# KiCad board MozzaCircuit.kicad_pcb (continued)
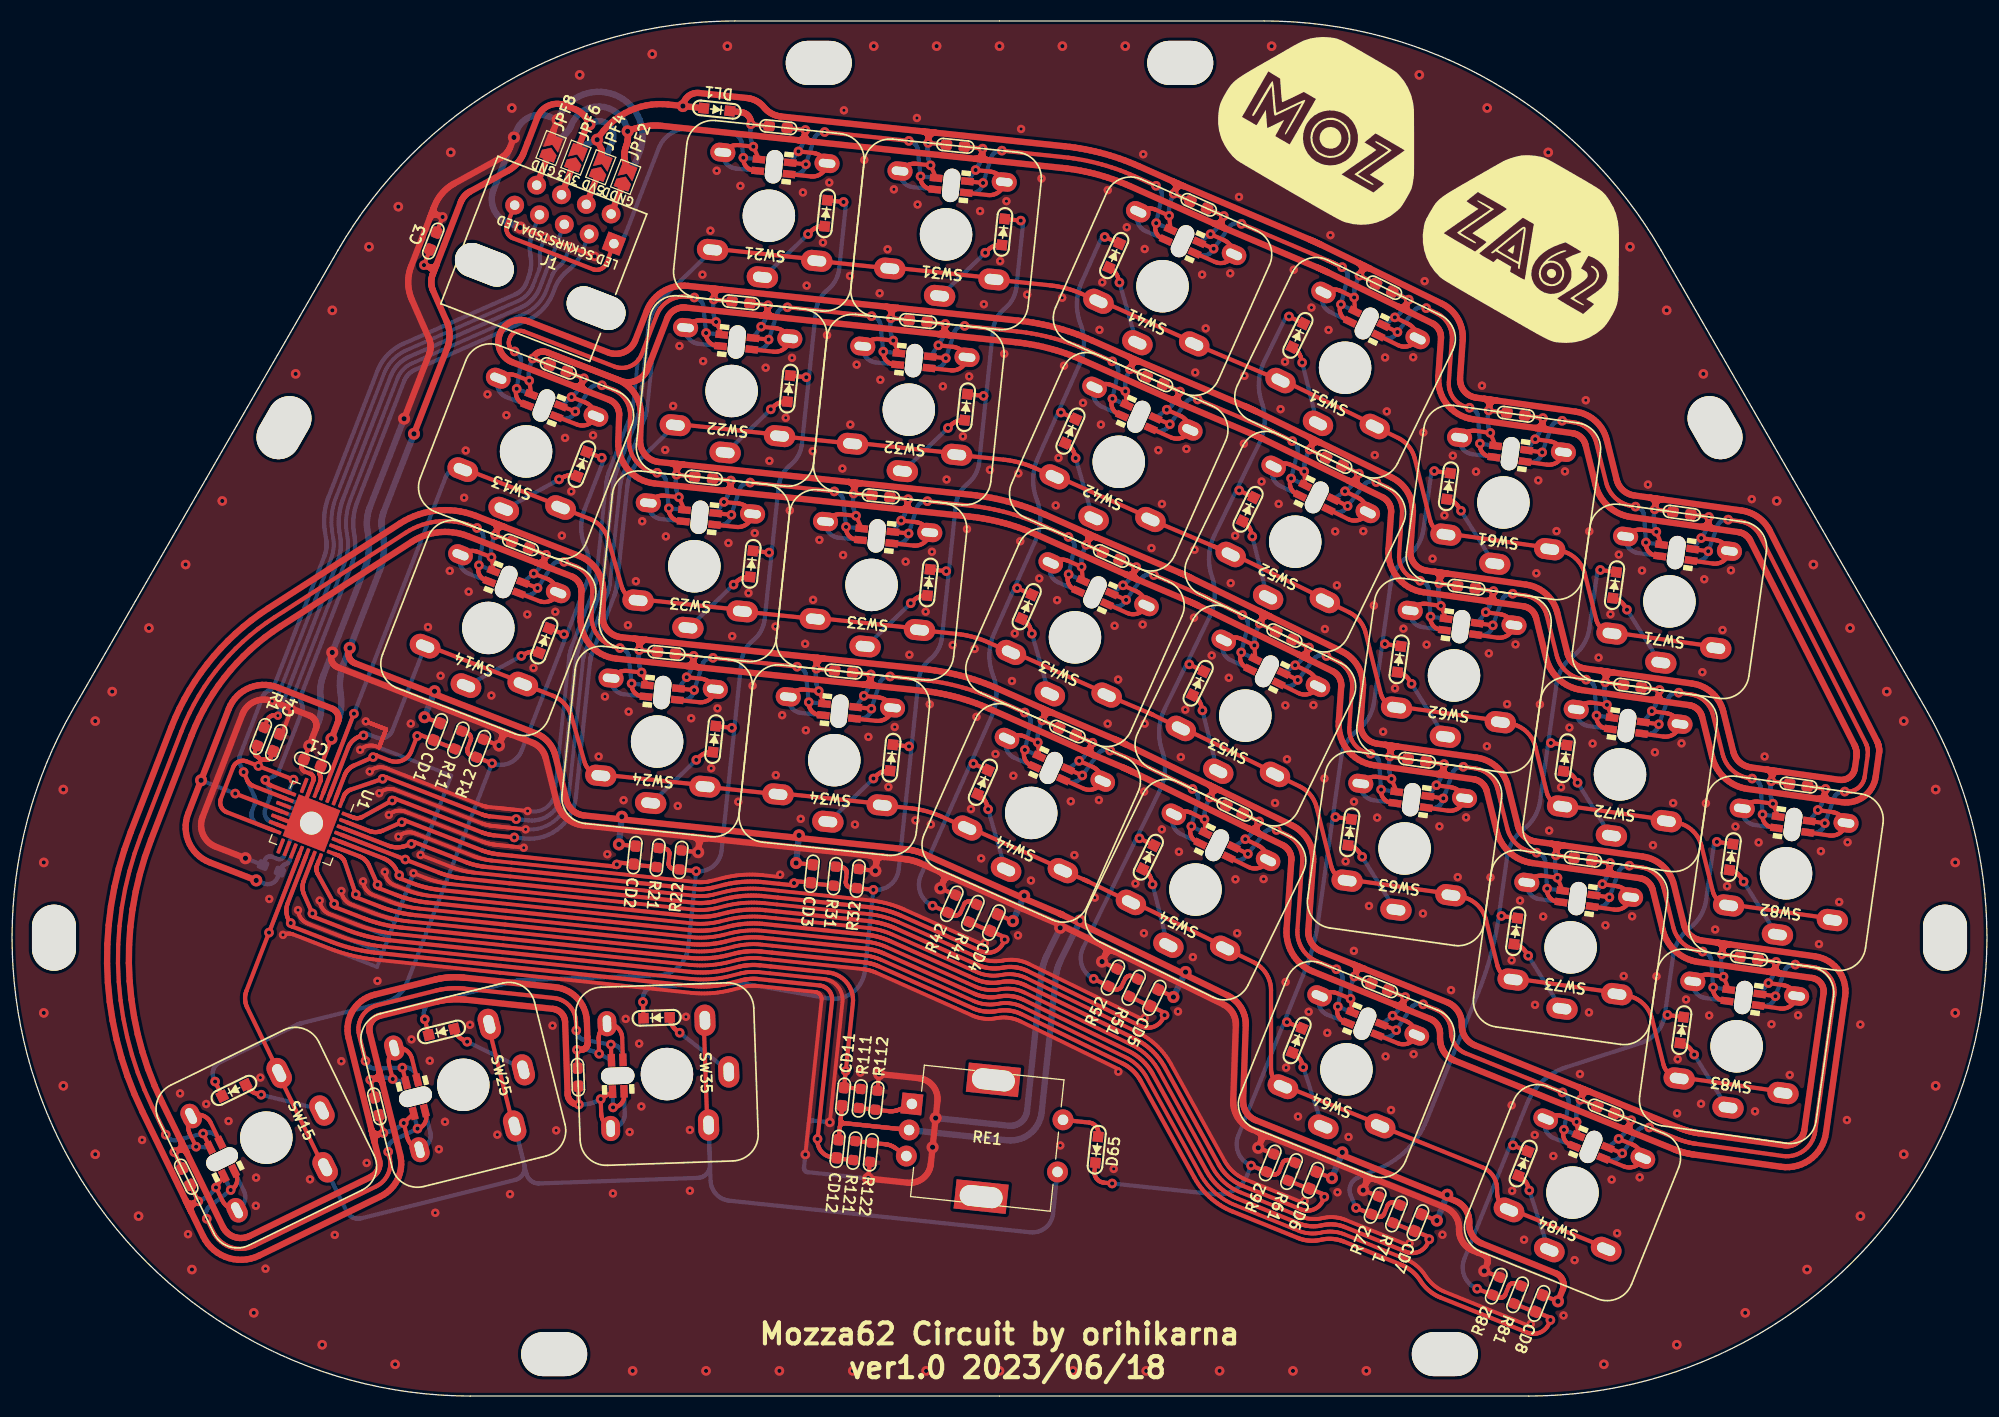
[diagram p0: board, top side]
## Routing (per net, layer and track width the routed paths; a pad name or vN(x,y) marks a point on that pad's centre or on a via; arc(x,y) is an arc through that point) (continued)
Net-(L41-Pad1): length 25.4
  Top w0.4: v2(126.91,107.69) 126.56,107.86 126.49,107.9 126.42,107.93 126.35,107.96 126.28,108 126.21,108.03 126.14,108.06 126.07,108.09 126,108.13 125.93,108.16 125.85,108.19 125.78,108.22 125.64,108.28 125.57,108.32 125.5,108.35 v2(117.31,111.82) ; L51.3 127.3,102.66 127.2,102.72 127.11,102.78 127.02,102.86 126.94,102.94 126.87,103.03 126.81,103.13 126.76,103.24 126.73,103.35 126.7,103.46 126.69,103.57 126.68,103.69 126.69,103.8 126.72,103.91 126.75,104.02 v2(126.8,104.13) ; 113.28,110.06 v2(114.65,109.45)
  Bottom w0.4: 128.14,103.47 v2(126.8,104.13) 127.41,106.61 127.43,106.69 127.44,106.78 127.44,106.86 127.43,106.95 127.42,107.03 127.4,107.12 127.37,107.2 127.33,107.28 127.29,107.35 127.24,107.42 127.18,107.49 127.12,107.55 127.05,107.6 126.98,107.65 v2(126.91,107.69) ; L41.5 113.2,108.89 113.3,108.85 113.41,108.82 113.53,108.8 113.64,108.8 113.76,108.8 113.87,108.82 113.98,108.85 114.09,108.89 114.19,108.94 114.29,109.01 114.38,109.08 114.46,109.16 114.53,109.25 114.6,109.35 v2(114.65,109.45) 116.15,111.51 116.2,111.58 116.26,111.64 116.33,111.7 116.4,111.75 116.47,111.79 116.55,111.83 116.63,111.86 116.71,111.88 116.8,111.9 116.88,111.91 116.97,111.9 117.06,111.9 117.14,111.88 117.22,111.86 v2(117.31,111.82)
Net-(L42-Pad3): length 24.8
  Top w0.4: 122.9,85.89 122.54,86.07 122.44,86.12 122.35,86.19 122.26,86.26 122.18,86.35 122.11,86.44 122.05,86.54 122.01,86.64 121.97,86.75 121.94,86.86 121.93,86.98 121.93,87.09 121.94,87.21 121.96,87.32 121.99,87.43 v2(122.04,87.54) ; v2(113.13,95.07) 119.29,92.46 119.36,92.43 119.43,92.4 119.51,92.37 119.58,92.33 119.65,92.3 119.86,92.21 119.93,92.17 120.07,92.11 120.21,92.04 120.35,91.97 v2(122.15,91.1) ; L42.3 v2(110.47,92.7)
  Bottom w0.4: v2(113.13,95.07) 113.05,95.11 112.96,95.13 112.88,95.15 112.79,95.16 112.71,95.16 112.62,95.15 112.54,95.13 112.45,95.11 112.37,95.08 112.29,95.05 112.22,95 112.15,94.95 112.08,94.89 112.02,94.83 111.97,94.76 v2(110.47,92.7) 110.42,92.6 110.36,92.5 110.28,92.41 110.2,92.33 110.11,92.26 110.02,92.2 109.91,92.14 109.81,92.1 109.69,92.07 109.58,92.05 109.47,92.05 109.35,92.05 109.24,92.07 109.13,92.1 109.02,92.14 108.65,92.31 ; v2(122.15,91.1) 122.22,91.06 122.3,91.01 122.36,90.96 122.42,90.9 122.48,90.83 122.53,90.76 122.57,90.68 122.61,90.61 122.64,90.52 122.66,90.44 122.68,90.36 122.68,90.27 122.68,90.18 122.67,90.1 122.65,90.01 v2(122.04,87.54) 123.39,86.88
Net-(L43-Pad1): length 24.2
  Top w0.4: v2(108.95,78.32) 113.11,76.56 113.18,76.53 113.25,76.5 113.4,76.44 113.47,76.4 113.54,76.37 113.61,76.34 113.68,76.31 113.75,76.28 113.82,76.24 113.89,76.21 113.96,76.18 114.03,76.14 114.17,76.08 v2(117.39,74.51) ; v2(117.28,70.94) 117.23,70.84 117.2,70.73 117.18,70.61 117.17,70.5 117.17,70.38 117.18,70.27 117.21,70.16 117.25,70.05 117.3,69.95 117.36,69.85 117.43,69.75 117.5,69.67 117.59,69.59 117.69,69.53 117.79,69.47 118.15,69.3 ; L43.1 v2(106.29,75.95)
  Bottom w0.4: 118.63,70.29 v2(117.28,70.94) 117.9,73.42 117.91,73.5 117.92,73.59 117.92,73.68 117.92,73.76 117.9,73.85 117.88,73.93 117.85,74.01 117.82,74.09 117.77,74.17 117.72,74.24 117.67,74.3 117.6,74.36 117.54,74.42 117.47,74.47 v2(117.39,74.51) ; L43.5 104.84,75.39 104.95,75.35 105.06,75.32 105.17,75.3 105.29,75.3 105.4,75.3 105.52,75.32 105.63,75.35 105.74,75.39 105.84,75.45 105.94,75.51 106.03,75.58 106.11,75.66 106.18,75.75 106.24,75.85 v2(106.29,75.95) 107.79,78.01 107.85,78.08 107.91,78.14 107.97,78.2 108.04,78.25 108.12,78.3 108.2,78.33 108.28,78.36 108.36,78.38 108.45,78.4 108.53,78.41 108.62,78.41 108.7,78.4 108.79,78.38 108.87,78.36 v2(108.95,78.32)
Net-(L44-Pad3): length 23.6
  Top w0.4: v2(104.78,61.58) 106.9,60.68 106.97,60.64 107.04,60.61 107.11,60.58 107.18,60.55 107.25,60.52 107.47,60.42 107.61,60.36 107.75,60.29 107.82,60.26 107.96,60.19 v2(112.63,57.91) ; L44.3 v2(102.12,59.2) ; 113.39,52.7 113.03,52.88 112.93,52.93 112.83,53 112.75,53.08 112.67,53.16 112.6,53.25 112.54,53.35 112.49,53.46 112.45,53.56 112.43,53.68 112.41,53.79 112.41,53.91 112.42,54.02 112.44,54.13 112.48,54.24 v2(112.52,54.35)
  Bottom w0.4: v2(112.63,57.91) 112.71,57.87 112.78,57.82 112.85,57.77 112.91,57.71 112.96,57.64 113.01,57.57 113.06,57.5 113.1,57.42 113.12,57.34 113.15,57.25 113.16,57.17 113.17,57.08 113.17,57 113.16,56.91 113.14,56.82 v2(112.52,54.35) L54.5 ; v2(104.78,61.58) 104.7,61.61 104.61,61.63 104.53,61.65 104.44,61.66 104.36,61.66 104.27,61.65 104.18,61.64 104.1,61.61 104.02,61.58 103.94,61.55 103.87,61.5 103.8,61.45 103.73,61.4 103.67,61.33 103.62,61.27 v2(102.12,59.2) 102.07,59.1 102,59 101.93,58.91 101.85,58.83 101.76,58.76 101.66,58.7 101.56,58.64 101.45,58.6 101.34,58.57 101.23,58.56 101.11,58.55 101,58.56 100.89,58.57 100.77,58.6 100.67,58.64 L44.7
Net-(L51-Pad1): length 26.7
  Top w0.4: v2(134.93,103.78) 135.95,103.28 136.13,103.19 136.3,103.08 136.46,102.96 136.61,102.82 136.75,102.67 136.87,102.52 136.99,102.35 137.09,102.18 137.18,102 137.25,101.81 137.31,101.61 137.35,101.42 137.37,101.22 137.38,101.01 137.38,100.81 137.09,96.72 137.09,96.49 137.1,96.26 137.14,96.03 137.21,95.81 137.29,95.6 137.4,95.39 137.53,95.2 137.67,95.02 137.83,94.86 138.01,94.71 138.2,94.59 138.4,94.48 138.61,94.39 138.83,94.33 v2(139.06,94.28) ; v2(140.06,90.86) 140.05,90.75 140.05,90.63 140.06,90.52 140.09,90.4 140.13,90.3 140.17,90.19 140.23,90.09 140.3,90 140.38,89.92 140.47,89.84 140.56,89.77 140.66,89.72 140.77,89.67 140.88,89.64 140.99,89.62 L61.3 ; L51.1 v2(132.19,101.5)
  Bottom w0.4: v2(139.06,94.28) 139.15,94.27 139.23,94.24 139.31,94.21 139.39,94.17 139.46,94.13 139.53,94.08 139.59,94.02 139.65,93.96 139.71,93.89 139.75,93.82 139.79,93.74 139.83,93.66 139.85,93.58 139.87,93.49 139.88,93.41 v2(140.06,90.86) 141.54,90.65 ; v2(134.93,103.78) 134.85,103.82 134.77,103.84 134.68,103.86 134.6,103.87 134.51,103.88 134.42,103.87 134.34,103.86 134.25,103.84 134.17,103.82 134.09,103.78 134.02,103.74 133.94,103.69 133.88,103.64 133.82,103.58 133.76,103.51 v2(132.19,101.5) 132.13,101.4 132.07,101.31 131.99,101.22 131.91,101.14 131.81,101.07 131.72,101.01 131.61,100.96 131.5,100.93 131.39,100.9 131.28,100.89 131.16,100.88 131.05,100.89 130.93,100.92 130.82,100.95 130.72,100.99 130.36,101.17
Net-(L52-Pad3): length 26.6
  Top w0.4: 136.67,73.06 136.28,73.11 136.16,73.14 136.05,73.17 135.95,73.21 135.85,73.27 135.75,73.34 135.67,73.41 135.59,73.5 135.52,73.59 135.46,73.69 135.41,73.79 135.37,73.9 135.35,74.01 135.33,74.13 135.33,74.24 v2(135.34,74.36) ; v2(134.35,77.78) 134.12,77.82 133.89,77.89 133.68,77.98 133.47,78.09 133.28,78.22 133.1,78.37 132.93,78.53 132.78,78.71 132.66,78.91 132.55,79.12 132.46,79.33 132.4,79.56 132.36,79.79 132.34,80.02 132.34,80.25 132.62,84.22 132.62,84.42 132.61,84.62 132.59,84.82 132.55,85.02 132.49,85.21 132.42,85.4 132.33,85.58 132.23,85.76 132.12,85.92 131.99,86.08 131.85,86.23 131.7,86.36 131.54,86.48 131.37,86.59 131.19,86.69 v2(130.17,87.19) ; 126.08,85.56 v2(127.43,84.91)
  Bottom w0.4: L52.7 125.96,84.4 126.07,84.36 126.18,84.32 126.29,84.3 126.4,84.29 126.52,84.29 126.63,84.31 126.74,84.33 126.85,84.37 126.96,84.42 127.06,84.48 127.15,84.55 127.23,84.62 127.31,84.71 127.37,84.81 v2(127.43,84.91) 129,86.92 129.06,86.98 129.12,87.04 129.19,87.1 129.26,87.15 129.33,87.19 129.41,87.22 129.5,87.25 129.58,87.27 129.67,87.28 129.75,87.28 129.84,87.28 129.92,87.27 130.01,87.25 130.09,87.22 v2(130.17,87.19) ; v2(134.35,77.78) 134.43,77.76 134.51,77.74 134.59,77.71 134.67,77.67 134.75,77.62 134.82,77.57 134.88,77.52 134.94,77.45 134.99,77.38 135.04,77.31 135.08,77.23 135.11,77.15 135.14,77.07 135.15,76.99 135.16,76.9 v2(135.34,74.36) L62.5
Net-(L53-Pad1): length 26.5
  Top w0.4: v2(130.63,57.85) 130.62,57.74 130.62,57.62 130.63,57.51 130.66,57.4 130.7,57.29 130.74,57.18 130.8,57.08 130.87,56.99 130.95,56.91 131.04,56.83 131.13,56.77 131.23,56.71 131.34,56.66 131.45,56.63 131.56,56.61 131.96,56.55 ; 121.32,68.97 v2(122.67,68.31) ; v2(125.41,70.59) 126.43,70.1 126.61,70 126.78,69.89 126.94,69.77 127.09,69.63 127.23,69.49 127.36,69.33 127.47,69.17 127.57,68.99 127.66,68.81 127.73,68.62 127.79,68.43 127.83,68.23 127.86,68.03 127.87,67.83 127.86,67.63 127.59,63.79 127.59,63.55 127.61,63.32 127.65,63.08 127.71,62.85 127.8,62.63 127.91,62.42 128.04,62.22 128.19,62.04 128.36,61.87 128.54,61.72 128.74,61.59 128.95,61.48 129.17,61.39 129.4,61.32 v2(129.63,61.27)
  Bottom w0.4: v2(129.63,61.27) 129.72,61.26 129.8,61.23 129.88,61.2 129.96,61.16 130.03,61.12 130.1,61.07 130.16,61.01 130.22,60.95 130.28,60.88 130.32,60.81 130.36,60.73 130.4,60.65 130.42,60.57 130.44,60.48 130.45,60.4 v2(130.63,57.85) L63.7 ; 120.84,67.98 121.2,67.81 121.31,67.76 121.42,67.73 121.53,67.71 121.64,67.7 121.76,67.7 121.87,67.71 121.99,67.74 122.1,67.78 122.2,67.82 122.3,67.88 122.39,67.95 122.47,68.03 122.55,68.12 122.62,68.21 v2(122.67,68.31) 124.24,70.32 124.3,70.39 124.36,70.45 124.43,70.51 124.5,70.55 124.58,70.59 124.66,70.63 124.74,70.66 124.82,70.68 124.91,70.69 124.99,70.69 125.08,70.69 125.17,70.68 125.25,70.66 125.33,70.63 v2(125.41,70.59)
Net-(L54-Pad3): length 31.5
  Top w0.4: L64.1 127.11,35.72 127.01,35.77 126.91,35.83 126.82,35.9 126.73,35.98 126.66,36.06 126.59,36.16 126.53,36.26 126.49,36.36 126.46,36.47 126.43,36.59 126.42,36.7 126.43,36.82 126.44,36.93 126.47,37.04 v2(126.5,37.15) ; v2(126.36,40.71) 124.54,41.45 124.31,41.55 124.09,41.68 123.88,41.82 123.68,41.98 123.49,42.16 123.32,42.35 123.17,42.55 123.04,42.77 122.92,43 122.82,43.23 122.74,43.48 122.69,43.73 122.65,43.98 122.64,44.23 122.64,44.49 123.1,51.03 123.11,51.23 123.1,51.43 123.07,51.63 123.03,51.83 122.97,52.03 122.9,52.21 122.82,52.4 122.71,52.57 122.6,52.74 122.47,52.89 122.33,53.04 122.18,53.17 122.02,53.3 121.85,53.41 121.68,53.5 v2(120.65,54) ; 116.57,52.38 v2(117.91,51.72)
  Bottom w0.4: L64.5 v2(126.5,37.15) 126.95,39.66 126.96,39.75 126.96,39.84 126.96,39.92 126.94,40.01 126.92,40.09 126.9,40.17 126.86,40.25 126.82,40.33 126.77,40.4 126.72,40.47 126.66,40.53 126.59,40.58 126.52,40.63 126.44,40.68 v2(126.36,40.71) ; L54.7 116.44,51.21 116.55,51.17 116.66,51.13 116.77,51.11 116.89,51.1 117,51.1 117.12,51.12 117.23,51.14 117.34,51.18 117.44,51.23 117.54,51.29 117.63,51.36 117.72,51.44 117.79,51.52 117.86,51.62 v2(117.91,51.72) 119.48,53.73 119.54,53.8 119.6,53.86 119.67,53.91 119.74,53.96 119.82,54 119.9,54.03 119.98,54.06 120.06,54.08 120.15,54.09 120.24,54.1 120.32,54.09 120.41,54.08 120.49,54.06 120.57,54.03 v2(120.65,54)
Net-(L61-Pad1): length 26.9
  Top w0.4: L71.3 156.83,80.18 156.72,80.2 156.61,80.24 156.5,80.28 156.4,80.34 156.31,80.4 156.22,80.48 156.14,80.56 156.07,80.66 156.01,80.76 155.97,80.86 155.93,80.97 155.9,81.08 155.89,81.19 155.89,81.31 v2(155.9,81.42) ; L61.1 v2(146,90.03) ; v2(154.9,84.85) 154.63,84.88 154.39,84.93 154.16,84.99 153.93,85.07 153.71,85.17 153.5,85.28 153.29,85.41 153.1,85.56 152.92,85.72 152.76,85.9 152.61,86.08 152.47,86.28 152.35,86.49 152.25,86.71 152.16,86.94 152.09,87.17 151.14,90.97 151.09,91.17 151.02,91.36 150.93,91.54 150.83,91.71 150.72,91.88 150.59,92.04 150.45,92.18 150.3,92.32 150.14,92.44 149.97,92.55 149.79,92.65 149.61,92.73 149.42,92.79 149.22,92.85 149.02,92.88 v2(147.9,93.04)
  Bottom w0.4: 157.38,81.22 v2(155.9,81.42) 155.72,83.97 155.71,84.06 155.69,84.14 155.67,84.22 155.63,84.3 155.59,84.38 155.55,84.45 155.49,84.52 155.43,84.58 155.37,84.64 155.3,84.69 155.23,84.74 155.15,84.78 155.07,84.81 154.99,84.83 v2(154.9,84.85) ; 144.36,89.15 144.76,89.09 144.87,89.08 144.99,89.08 145.1,89.1 145.21,89.12 145.32,89.16 145.42,89.21 145.52,89.27 145.62,89.34 145.7,89.41 145.78,89.5 145.84,89.6 145.9,89.7 145.94,89.8 145.98,89.91 v2(146,90.03) 146.87,92.42 146.9,92.5 146.94,92.58 146.99,92.65 147.04,92.72 147.1,92.78 147.17,92.84 147.24,92.89 147.31,92.94 147.39,92.97 147.47,93 147.55,93.03 147.64,93.04 147.73,93.05 147.81,93.05 v2(147.9,93.04)
Net-(L62-Pad3): length 26.9
  Top w0.4: v2(151.18,64.92) 151.17,64.8 151.17,64.69 151.19,64.58 151.21,64.46 151.25,64.35 151.3,64.25 151.36,64.15 151.43,64.06 151.51,63.98 151.59,63.9 151.69,63.83 151.79,63.78 151.9,63.73 152.01,63.7 152.12,63.68 152.51,63.62 ; v2(150.19,68.34) 149.91,68.38 149.68,68.42 149.44,68.48 149.22,68.56 148.99,68.66 148.78,68.78 148.58,68.91 148.39,69.05 148.21,69.22 148.04,69.39 147.89,69.58 147.76,69.78 147.63,69.99 147.53,70.21 147.45,70.43 147.38,70.66 146.43,74.47 146.37,74.66 146.3,74.85 146.21,75.03 146.11,75.21 146,75.38 145.87,75.53 145.73,75.68 145.58,75.81 145.42,75.94 145.26,76.05 145.08,76.14 144.89,76.22 144.7,76.29 144.51,76.34 144.31,76.38 v2(143.18,76.54) ; L62.3 v2(141.28,73.52)
  Bottom w0.4: v2(150.19,68.34) 150.27,68.33 150.35,68.3 150.44,68.27 150.51,68.23 150.59,68.19 150.66,68.14 150.72,68.08 150.78,68.02 150.83,67.95 150.88,67.87 150.92,67.8 150.95,67.72 150.98,67.63 150.99,67.55 151,67.46 v2(151.18,64.92) L72.5 ; v2(143.18,76.54) 143.1,76.54 143.01,76.54 142.92,76.54 142.84,76.52 142.76,76.5 142.68,76.47 142.6,76.43 142.52,76.39 142.45,76.34 142.39,76.28 142.33,76.22 142.28,76.15 142.23,76.07 142.19,76 142.15,75.92 v2(141.28,73.52) 141.26,73.41 141.23,73.3 141.18,73.19 141.13,73.09 141.06,73 140.98,72.91 140.9,72.83 140.81,72.76 140.71,72.7 140.61,72.65 140.5,72.62 140.38,72.59 140.27,72.58 140.15,72.58 140.04,72.59 L62.7
Net-(L63-Pad1): length 26.9
  Top w0.4: v2(146.47,48.42) 146.46,48.3 146.46,48.19 146.47,48.07 146.5,47.96 146.54,47.85 146.59,47.75 146.64,47.65 146.71,47.56 146.79,47.47 146.88,47.4 146.97,47.33 147.07,47.27 147.18,47.23 147.29,47.2 147.4,47.17 147.8,47.12 ; L63.1 v2(136.57,57.02) ; v2(138.47,60.03) 139.59,59.87 139.79,59.84 139.99,59.79 140.18,59.72 140.36,59.64 140.54,59.54 140.71,59.43 140.87,59.31 141.02,59.17 141.16,59.03 141.29,58.87 141.4,58.7 141.5,58.53 141.59,58.35 141.66,58.16 141.71,57.97 142.66,54.16 142.73,53.93 142.82,53.7 142.92,53.48 143.04,53.27 143.18,53.07 143.33,52.89 143.49,52.71 143.67,52.55 143.86,52.4 144.07,52.27 144.28,52.16 144.5,52.06 144.73,51.98 144.96,51.92 145.2,51.88 v2(145.47,51.84)
  Bottom w0.4: v2(145.47,51.84) 145.56,51.82 145.64,51.8 145.72,51.77 145.8,51.73 145.87,51.68 145.94,51.63 146.01,51.57 146.06,51.51 146.12,51.44 146.16,51.37 146.2,51.29 146.24,51.21 146.26,51.13 146.28,51.05 146.29,50.96 v2(146.47,48.42) L73.7 ; v2(138.47,60.03) 138.38,60.04 138.3,60.04 138.21,60.03 138.12,60.02 138.04,59.99 137.96,59.96 137.88,59.93 137.81,59.88 137.74,59.83 137.67,59.77 137.61,59.71 137.56,59.64 137.51,59.57 137.47,59.49 137.44,59.41 v2(136.57,57.02) 136.55,56.9 136.51,56.79 136.47,56.69 136.41,56.59 136.35,56.49 136.27,56.41 136.19,56.33 136.09,56.26 135.99,56.2 135.89,56.15 135.78,56.11 135.67,56.09 135.56,56.07 135.44,56.07 135.33,56.08 L63.5
Net-(L64-Pad3): length 31.6
  Top w0.4: v2(147.93,28.96) 138.7,32.69 138.53,32.77 138.38,32.85 138.23,32.95 138.09,33.06 137.96,33.18 137.84,33.31 137.73,33.45 137.63,33.6 137.54,33.75 137.46,33.91 137.4,34.08 137.35,34.25 137.32,34.43 137.3,34.6 137.28,34.96 137.26,35.14 137.23,35.31 137.18,35.48 137.12,35.65 137.04,35.81 136.95,35.96 136.85,36.11 136.74,36.25 136.62,36.38 136.49,36.5 136.35,36.61 136.2,36.71 136.04,36.79 135.88,36.87 v2(134.64,37.37) ; L64.3 v2(132.07,34.9) ; v2(148.07,25.4) 148.04,25.29 148.01,25.18 148,25.07 147.99,24.95 148,24.84 148.03,24.72 148.06,24.61 148.1,24.51 148.16,24.41 148.23,24.31 148.3,24.23 148.39,24.15 148.48,24.08 148.58,24.02 148.68,23.97 149.05,23.82
  Bottom w0.4: L64.7 130.64,34.3 130.74,34.26 130.86,34.23 130.97,34.22 131.09,34.22 131.2,34.23 131.31,34.25 131.42,34.28 131.53,34.33 131.63,34.38 131.72,34.45 131.81,34.53 131.89,34.61 131.96,34.7 132.02,34.8 v2(132.07,34.9) 133.49,37.02 133.55,37.09 133.6,37.15 133.67,37.21 133.73,37.26 133.81,37.31 133.88,37.35 133.96,37.38 134.05,37.41 134.13,37.43 134.22,37.44 134.3,37.44 134.39,37.43 134.48,37.42 134.56,37.4 v2(134.64,37.37) ; v2(147.93,28.96) 148.01,28.93 148.09,28.88 148.16,28.83 148.22,28.78 148.28,28.72 148.34,28.65 148.39,28.58 148.43,28.5 148.47,28.42 148.49,28.34 148.51,28.26 148.53,28.17 148.53,28.09 148.53,28 148.52,27.91 v2(148.07,25.4) 149.46,24.84
Net-(L71-Pad1): length 46.6
  Top w0.4: L71.1 v2(161.84,80.59) ; 171.48,54.86 v2(172.96,54.65) ; v2(174.87,57.66) 175.04,57.65 175.22,57.65 175.39,57.67 175.57,57.71 175.73,57.77 175.89,57.84 176.04,57.94 176.19,58.04 176.31,58.16 176.43,58.3 176.53,58.44 176.62,58.59 176.69,58.76 176.74,58.93 176.77,59.1 177.06,61.12 177.07,61.2 177.07,61.28 177.07,61.36 177.07,61.44 177.07,61.53 177.06,61.61 177.05,61.69 177.04,61.77 177.02,61.85 177,61.93 176.98,62 176.95,62.08 176.92,62.16 176.89,62.23 176.86,62.31 166.78,82.08 166.7,82.22 166.62,82.36 166.52,82.49 166.41,82.62 166.3,82.73 166.18,82.85 166.06,82.95 165.92,83.04 165.78,83.13 165.64,83.21 165.49,83.27 165.34,83.33 165.18,83.38 165.03,83.42 164.86,83.45 v2(163.74,83.6)
  Bottom w0.4: v2(163.74,83.6) 163.65,83.61 163.57,83.61 163.48,83.61 163.39,83.59 163.31,83.57 163.23,83.54 163.15,83.5 163.08,83.45 163.01,83.4 162.94,83.35 162.88,83.28 162.83,83.22 162.78,83.14 162.74,83.07 162.71,82.99 v2(161.84,80.59) 161.82,80.48 161.78,80.37 161.74,80.26 161.68,80.16 161.62,80.07 161.54,79.98 161.46,79.9 161.36,79.83 161.26,79.77 161.16,79.72 161.05,79.69 160.94,79.66 160.83,79.65 160.71,79.64 160.6,79.65 160.2,79.71 ; v2(174.87,57.66) 174.78,57.67 174.69,57.67 174.61,57.66 174.52,57.65 174.44,57.63 174.36,57.6 174.28,57.56 174.21,57.51 174.14,57.46 174.07,57.41 174.01,57.34 173.96,57.27 173.91,57.2 173.87,57.13 173.84,57.05 v2(172.96,54.65) 172.94,54.54 172.91,54.43 172.86,54.32 172.81,54.22 172.74,54.12 172.67,54.04 172.58,53.96 172.49,53.89 172.39,53.83 172.29,53.78 172.18,53.74 172.07,53.72 171.95,53.7 171.84,53.7 171.72,53.71 L82.7
Net-(L72-Pad3): length 26.9
  Top w0.4: v2(159.02,67.1) 160.15,66.94 160.35,66.91 160.54,66.85 160.73,66.79 160.92,66.71 161.1,66.61 161.27,66.5 161.43,66.38 161.58,66.24 161.71,66.1 161.84,65.94 161.96,65.77 162.06,65.6 162.14,65.42 162.21,65.23 162.27,65.03 163.22,61.23 163.29,60.99 163.37,60.77 163.48,60.55 163.6,60.34 163.73,60.14 163.88,59.96 164.05,59.78 164.23,59.62 164.42,59.47 164.62,59.34 164.84,59.23 165.06,59.13 165.28,59.05 165.52,58.99 165.75,58.94 v2(166.03,58.91) ; 168.36,54.19 167.96,54.24 167.85,54.26 167.74,54.3 167.63,54.34 167.53,54.4 167.44,54.46 167.35,54.54 167.27,54.62 167.2,54.72 167.14,54.81 167.09,54.92 167.06,55.03 167.03,55.14 167.02,55.25 167.01,55.37 v2(167.02,55.48) ; L72.3 v2(157.12,64.08)
  Bottom w0.4: L72.7 155.88,63.15 156,63.14 156.11,63.14 156.23,63.15 156.34,63.18 156.45,63.22 156.55,63.27 156.65,63.33 156.74,63.4 156.83,63.47 156.9,63.56 156.97,63.65 157.02,63.76 157.07,63.86 157.1,63.97 v2(157.12,64.08) 158,66.48 158.03,66.56 158.07,66.64 158.12,66.71 158.17,66.78 158.23,66.84 158.29,66.9 158.36,66.95 158.44,66.99 158.52,67.03 158.6,67.06 158.68,67.09 158.77,67.1 158.85,67.11 158.94,67.11 v2(159.02,67.1) ; v2(166.03,58.91) 166.11,58.89 166.2,58.87 166.28,58.84 166.35,58.8 166.43,58.75 166.5,58.7 166.56,58.64 166.62,58.58 166.67,58.51 166.72,58.44 166.76,58.36 166.79,58.28 166.82,58.2 166.84,58.11 166.85,58.03 v2(167.02,55.48) L82.5
Net-(L73-Pad1): length 26.9
  Top w0.4: v2(162.31,38.98) 162.3,38.86 162.3,38.75 162.31,38.63 162.34,38.52 162.38,38.41 162.43,38.31 162.49,38.21 162.56,38.12 162.63,38.03 162.72,37.96 162.81,37.89 162.92,37.84 163.02,37.79 163.13,37.76 163.24,37.74 L83.3 ; v2(154.31,50.6) 155.44,50.44 155.63,50.4 155.83,50.35 156.02,50.28 156.2,50.2 156.38,50.11 156.55,50 156.71,49.87 156.86,49.74 157,49.59 157.13,49.43 157.24,49.27 157.34,49.09 157.43,48.91 157.5,48.72 157.56,48.53 158.5,44.72 158.57,44.49 158.66,44.26 158.76,44.05 158.88,43.84 159.02,43.64 159.17,43.45 159.34,43.28 159.51,43.11 159.71,42.97 159.91,42.84 160.12,42.72 160.34,42.62 160.57,42.54 160.8,42.48 161.04,42.44 v2(161.31,42.4) ; 150.92,47.79 v2(152.41,47.58)
  Bottom w0.4: L73.5 151.17,46.64 151.28,46.63 151.4,46.64 151.51,46.65 151.62,46.68 151.73,46.71 151.84,46.76 151.93,46.82 152.03,46.89 152.11,46.97 152.19,47.06 152.25,47.15 152.31,47.25 152.35,47.36 152.39,47.47 v2(152.41,47.58) 153.28,49.98 153.31,50.06 153.35,50.13 153.4,50.21 153.46,50.27 153.51,50.34 153.58,50.39 153.65,50.45 153.72,50.49 153.8,50.53 153.88,50.56 153.97,50.58 154.05,50.6 154.14,50.6 154.22,50.6 v2(154.31,50.6) ; 163.79,38.77 v2(162.31,38.98) 162.13,41.52 162.12,41.61 162.1,41.69 162.08,41.78 162.04,41.86 162.01,41.93 161.96,42.01 161.91,42.07 161.85,42.14 161.78,42.2 161.71,42.25 161.64,42.29 161.56,42.33 161.48,42.36 161.4,42.38 v2(161.31,42.4)
Net-(L83-Pad1): length 50.9
  Top w0.4: L84.3 v2(153.64,23.15) ; L83.1 v2(168.25,38.14) ; v2(170.15,41.16) 171.87,40.92 172.11,40.87 172.35,40.8 172.57,40.7 172.79,40.58 172.99,40.44 173.18,40.28 173.34,40.1 173.49,39.9 173.62,39.69 173.72,39.47 173.8,39.24 173.86,39 173.89,38.75 173.89,38.51 173.87,38.26 172.04,25.24 171.99,24.96 171.9,24.68 171.79,24.42 171.65,24.17 171.48,23.93 171.3,23.71 171.09,23.52 170.86,23.34 170.61,23.2 170.35,23.07 170.08,22.98 169.8,22.92 169.51,22.88 169.22,22.88 168.94,22.9 160.71,24.06 160.58,24.08 160.45,24.1 160.32,24.12 160.2,24.15 160.07,24.17 159.94,24.2 159.82,24.23 159.69,24.27 159.57,24.3 159.44,24.34 159.32,24.38 159.19,24.42 159.07,24.47 158.95,24.51 158.83,24.56 v2(156.21,25.62)
  Bottom w0.4: 166.61,37.26 167.01,37.21 167.12,37.2 167.24,37.2 167.35,37.21 167.46,37.24 167.57,37.28 167.68,37.33 167.78,37.38 167.87,37.45 167.95,37.53 168.03,37.62 168.09,37.71 168.15,37.81 168.19,37.92 168.23,38.03 v2(168.25,38.14) 169.12,40.54 169.16,40.62 169.2,40.7 169.24,40.77 169.3,40.84 169.36,40.9 169.42,40.96 169.49,41.01 169.56,41.05 169.64,41.09 169.72,41.12 169.81,41.14 169.89,41.16 169.98,41.17 170.06,41.17 v2(170.15,41.16) ; L84.7 152.2,22.55 152.31,22.51 152.43,22.48 152.54,22.47 152.65,22.47 152.77,22.48 152.88,22.5 152.99,22.53 153.1,22.58 153.2,22.63 153.29,22.7 153.38,22.77 153.46,22.86 153.53,22.95 153.59,23.05 v2(153.64,23.15) 155.06,25.27 155.11,25.34 155.17,25.4 155.24,25.46 155.3,25.51 155.38,25.56 155.45,25.6 155.53,25.63 155.62,25.66 155.7,25.68 155.79,25.69 155.87,25.69 155.96,25.68 156.04,25.67 156.13,25.65 v2(156.21,25.62)
unconnected-(L35-Pad1): length 3.6
  Top w0.4: L35.1 58.41,28.67 58.4,28.56 58.39,28.44 58.36,28.33 58.33,28.22 58.28,28.12 58.22,28.02 58.15,27.93 58.07,27.84 57.98,27.77 57.89,27.7 57.79,27.64 57.68,27.6 57.57,27.57 57.46,27.54 v2(57.35,27.53)
  Bottom w0.4: L35.5 v2(57.35,27.53)

## Copper pours and planes (outline as drawn; the poured copper is in the pictures)
GND on Top: -0.08,131.32 188.92,131.32 188.92,-0.68 -0.08,-0.68
GND on Bottom: -0.08,131.32 188.92,131.32 188.92,-0.68 -0.08,-0.68

## Text on the board
B.Silkscreen: LED | SCK | GNDD | NRST | 5VD | SDA | 3V3 | GND | R*1 = 10k / R*2 = 4k7 / CD* = 33n
F.Silkscreen: LED | SDA | GND | NRST | 3V3 | SCK | 5VD | GNDD | Mozza62 Circuit by orihikarna / ver1.0 2023/06/18
